# Altium PCB MainBoard_6_layers.PcbDoc (part 6 of 6) (continued)
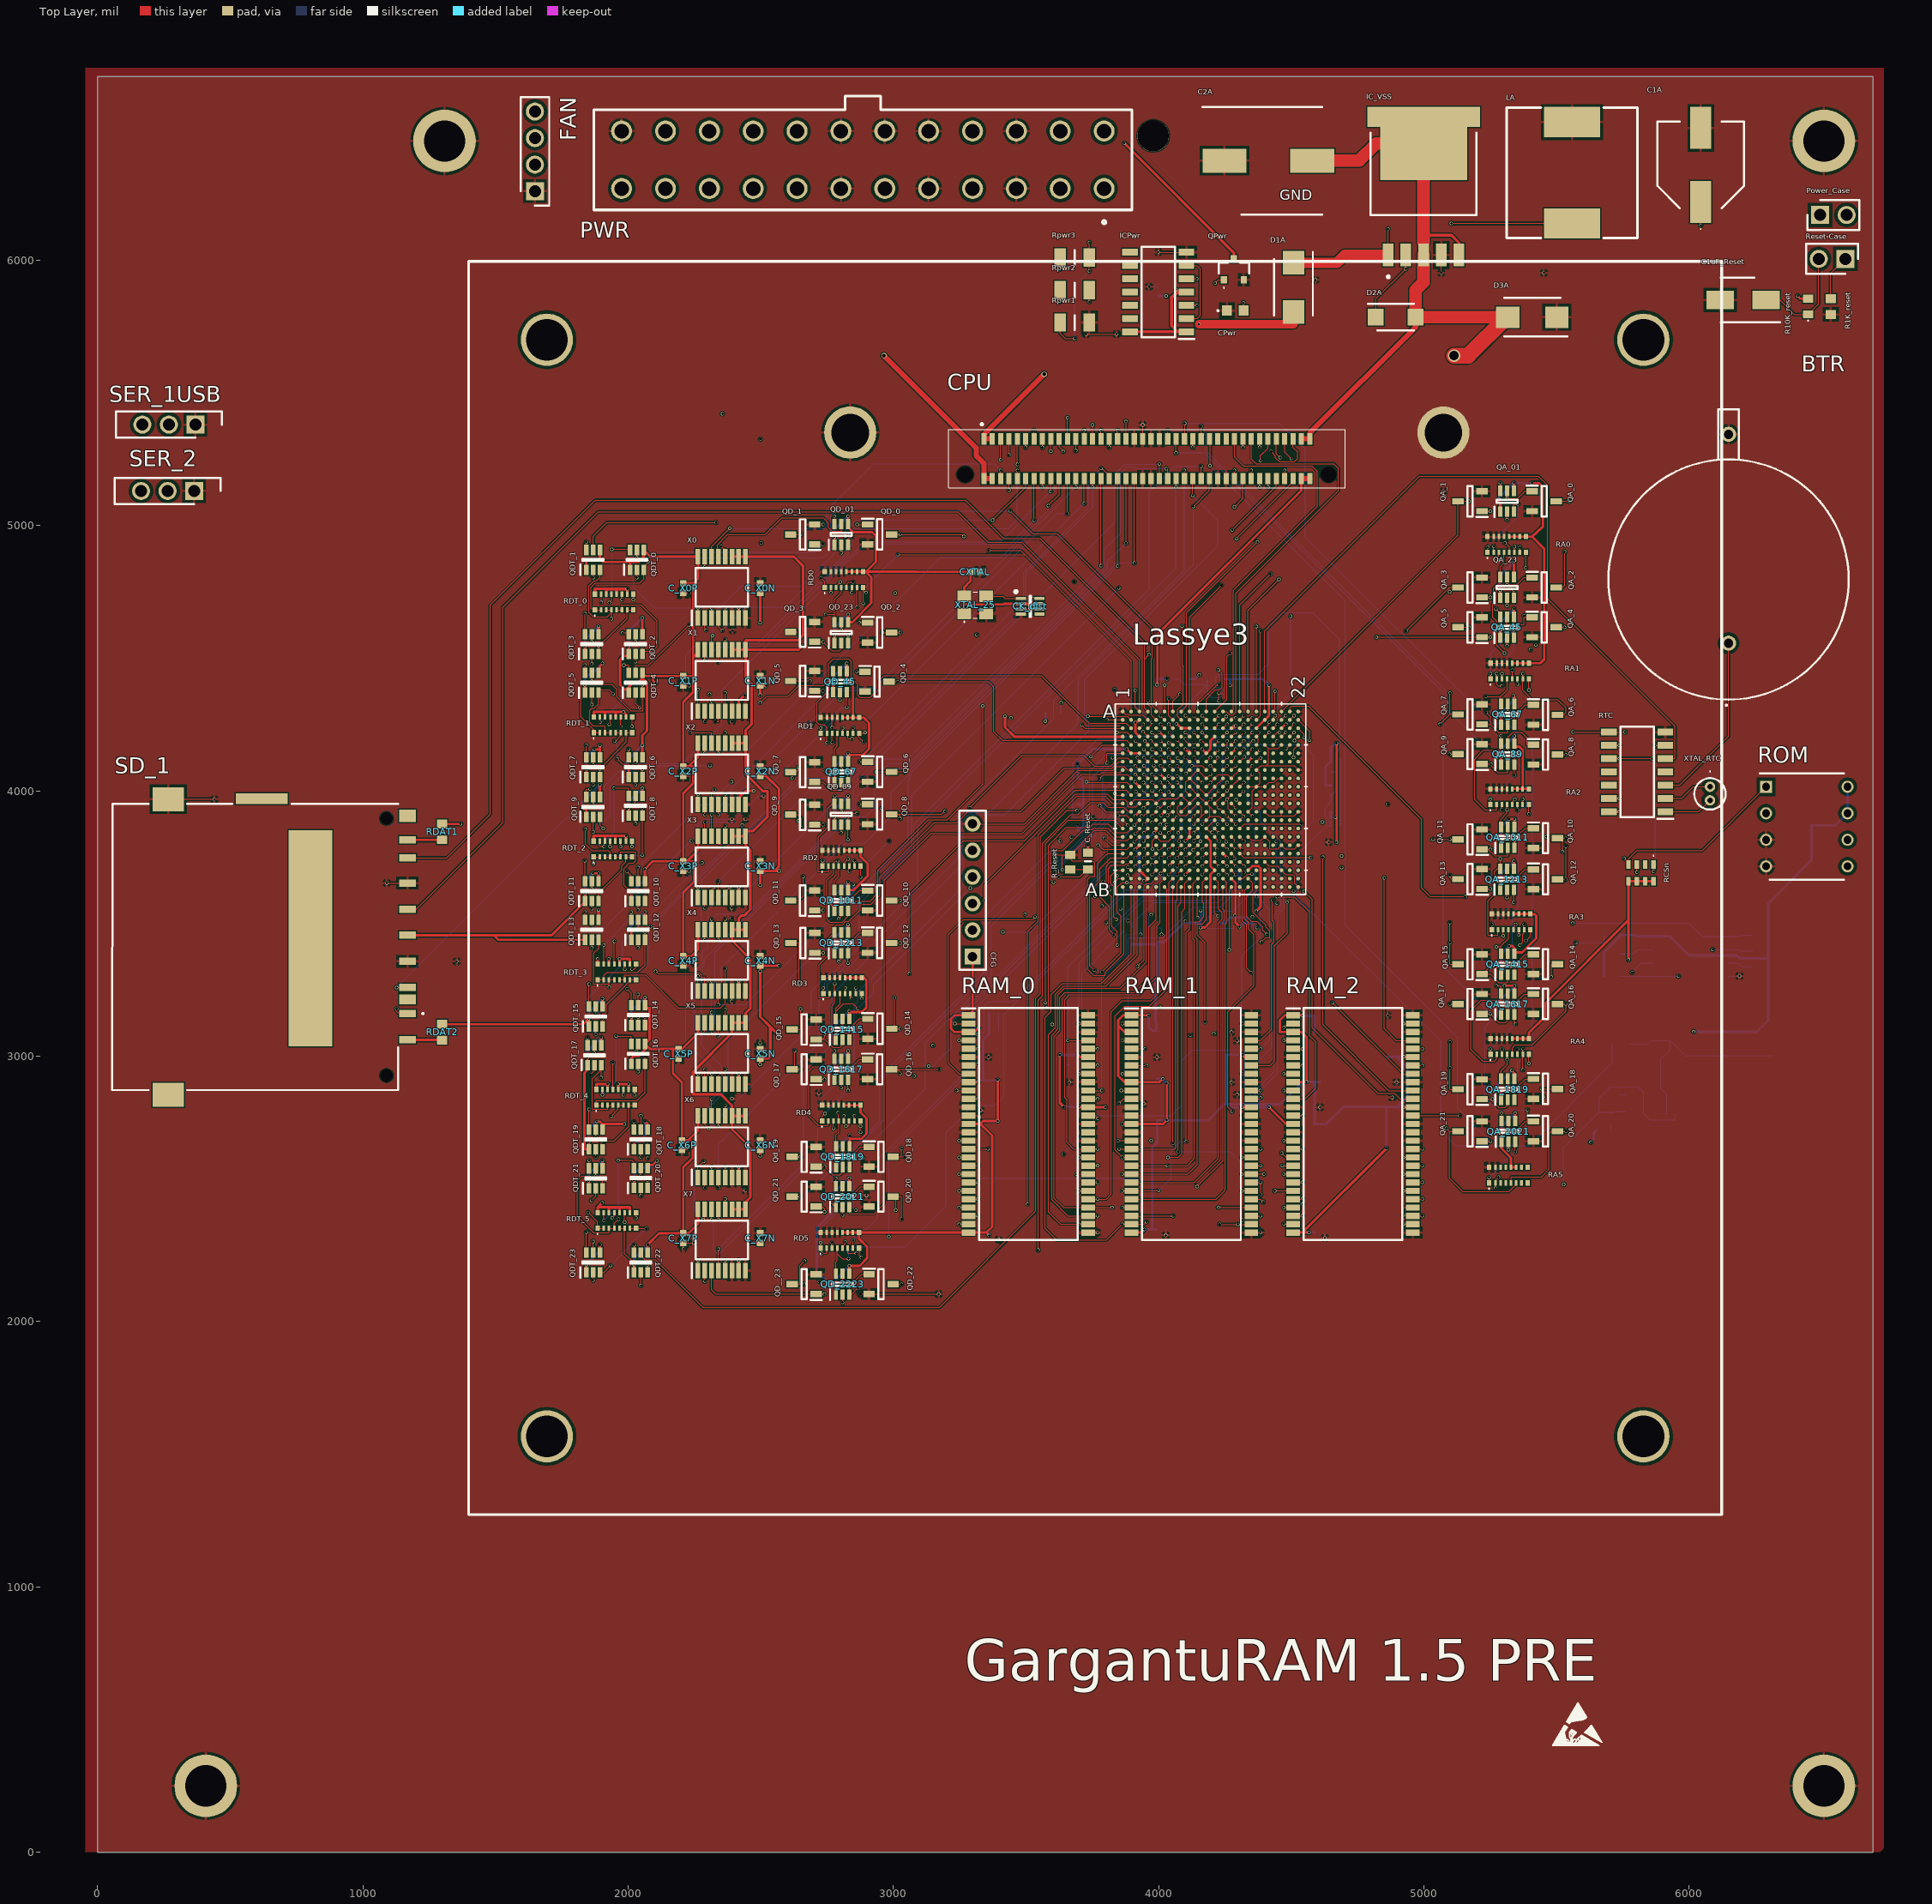
[diagram p0: Top Layer view]
## Nets (pads, with @x,y where several pads share a name; then routed paths per layer and width w, separated by ;. In a path a pad name is that pad's centre, name@x,y a point inside that pad or via, vN(x,y) a via of type N, cw(c..) or ccw(c..) an arc to the next point about the centre after c; other vN are vias at no path point) (continued)
  Top Layer w19.68: CPU.1@3341.38,5327.43 CPU.3@3372.88,5327.43 ; CPU.1@3341.38,5343.77 v3(3568.66,5571.05) ; CPU.78@4538.23,5177.83 CPU.80@4569.73,5177.83
  Layer 1 w9.02: v1(1841.91,2215) 1856.91,2230 2007.25,2230 v1(2022.32,2214.92) ; v1(1888.5,3689.73) 1911.39,3666.84 2024.62,3666.84 v1(2063.5,3705.73) ; v1(1888.51,4620.93) 1898.63,4631.05 2031.63,4631.05 v1(2053.5,4652.93) ; v1(1893.51,4172) v1(2053.5,4172) ; v1(1903.5,3216.99) 2058.5,3216.99 v1(2063.5,3221.99) ; v1(1985.73,2745.18) 1986.49,2745.18 1992.08,2739.59 2049.5,2739.59 v1(2063.91,2754) ; v1(3318.91,2902.48) 3381.91,2965.48 3381.91,3044.46 v1(3320.5,3105.87) ; v1(3393.66,2756.05) 3447.83,2810.23 v1(3641.55,2810.23) ; v1(3911.91,3906) 3926.91,3921 3995.91,3921 v1(4008.72,3908.2) ; v1(3992.91,4400) 4014.91,4422 4168.94,4422 ; v1@4028.69,5866.03 v1(6408.91,5866) ; v1(4031.03,4422.21) 4046.81,4438 v1(4152.94,4438) 4168.94,4422 ; v1(4157.91,3485) v1(4370.91,3485) ; v1(4158.13,3549.22) 4160.35,3547 v1(4367.91,3547) ; v1(4163.91,4158) 4178.91,4173 4274.91,4173 v1(4289.91,4158) ; v1(4258.91,3748) 4274.91,3764 4329.91,3764 ; v1(4269.91,4398) 4251.71,4416.21 ; v1(4313.91,3780) 4329.91,3764 ; v1(4689.91,3711) 4382.91,3711 4329.91,3764 ; v1(4689.91,3755) 4670.91,3736 4611.91,3736 4583.91,3764 4329.91,3764 ; 4168.94,4422 4245.91,4422 4251.71,4416.21 ; 4168.94,4422 4174.73,4416.21 4251.71,4416.21
  Layer 2 w9.02: v1(2053.5,4652.93) 2115.38,4591.05 2161.16,4591.05 ; v1(2073.91,2290) 2135.52,2290 2161.16,2264.36 2161.16,2290 2161.16,2322.59 2161.16,2333.11 2161.16,2520.59 2161.16,2666.59 2161.16,2796 2161.16,2841.41 2161.16,3063.43 2161.16,3103.01 2161.16,3147 2161.16,3379 2161.16,3619 2161.16,3735 2161.16,4093.11 2161.16,4376.05 ; v1(2103.66,4406.05) 2133.66,4376.05 2161.16,4376.05 ; 2161.16,4529.34 2161.16,4376.05 ; v1(3694.88,4102.03) 3734.4,4062.51 3884.4,4062.51 v1(3911.91,4035) 3912.22,4035 3925.8,4048.59 3991.63,4048.59 v1(4006.46,4063.42) ; v1(3799.92,2807.99) v1(3862.91,2745) ; v1(3943.91,3662) 3944.45,3661.47 3949.45,3661.47 v1(4100.91,3510) ; v1(3982.91,3843) 3998.69,3827.22 4085.17,3827.22 v1(4100.95,3811.45) ; v1(4269.91,4398) v1(4415.91,4398) 4452.91,4398 v1(4670.91,4180) 4650.91,4180 4563.91,4267 4494.91,4267 v1(4479.91,4252) ; v1(5330.91,2947) 5618.66,2659.25 ; v1(5407.08,5161) 5598.66,5161 5618.66,5141 ; v1(5450.91,2848) 5618.66,3015.75 ; 5618.66,2730 5618.66,3015.75 ; 5618.66,3243 5618.66,3366.05 ; 5618.66,4881.25 5618.66,4040.2 5618.66,3967 5618.66,3555.35 5618.66,3491 5618.66,3366.05 ; 5618.91,3016 5618.66,3015.75 ; 5618.91,4040.2 v1(5736.91,3922.2) ; v1(6016.91,3093) 6016.91,3118.86 v1(5771.42,3364.36) 5620.36,3364.36 5618.66,3366.05
  Layer 2 w59.06: PWR.23@1975.47,6271.05 2105.47,6141.05 ; 2161.16,2264.36 2161.16,2290 2161.16,2322.59 2161.16,2333.11 2161.16,2520.59 2161.16,2666.59 2161.16,2796 2161.16,2841.41 2161.16,3063.43 2161.16,3103.01 2161.16,3147 2161.16,3379 2161.16,3619 2161.16,3735 2161.16,4093.11 2161.16,4376.05 2161.16,4535 2161.16,4591.05 2161.16,4673 2161.16,4712.41 2161.16,4766 2161.16,5440 2161.16,6085.37 2105.47,6141.05 ; PWR.2@3794.37,6487.59 PWR.1@3794.37,6271.05 PWR.3@3629.02,6271.05 3499.02,6141.05 ; 5618.66,2659.25 5618.66,2730 5618.66,3015.75 5618.66,3243 5618.66,3366.05 5618.66,3491 5618.66,3555.35 5618.66,3967 5618.66,4040.2 5618.66,4881.25 5618.66,4928.25 5618.66,4969 5618.66,5141 5618.66,5377.99 5510.6,5486.05 5443.66,5486.05 5398.66,5486.05 5338.91,5486.05 5292.91,5486.05 4544.51,5486.05 4414.07,5486.05 4381.79,5486.05 3668.66,5486.05 3576.16,5578.55 3499.02,5655.7 3499.02,5975.6 3499.02,6109 3499.02,6141.05 ; 2105.47,6141.05 2191.91,6141.05 3499.02,6141.05
  Layer 3 w9.02: v1(1368.66,3876.05) 1424.61,3932 v1(1826.32,3932) ; v1(1836.91,3615.41) 1888.13,3564.19 1888.13,3551.59 v1(1888.66,3551.05) ; v1(1836.91,4546.41) 1869.4,4513.92 1870.79,4513.92 v1(1903.66,4481.05) ; v1(1841.91,4082.41) 1842.45,4081.88 1842.45,4074.06 v1(1893.5,4023) ; v1(1851.91,2679.41) 1903.5,2627.82 v1(1903.5,2606.99) ; v1(1851.91,3142.41) 1898.91,3095.41 v1(1898.91,3071) ; v1(1991.12,4089.81) 2020.89,4060.05 2024.28,4060.05 2053.51,4030.82 v1(2053.51,4011.16) ; v1(2012.32,3614.93) 2063.5,3563.75 v1(2063.5,3543.89) ; v1(2021.91,2679) 2051.41,2649.51 2065.21,2649.51 v1(2108.66,2606.05) ; v1(2761.91,3577) 2829.25,3509.66 v1(2829.25,3496) ; v1(2777.91,2941) 2777.91,2881 2833.91,2825 2833.91,2770 2843.66,2760.25 2843.66,2708.82 v1(2834.84,2700) ; v1(2777.91,3902) 2867.91,3812 2867.91,3722 2848.91,3703 v1(2848.91,3648) ; v1(2777.91,4062) 2777.91,4032.34 v1(2829.25,3981) ; v1(2777.91,4587) 2777.91,4527 v1(2823.91,4481) ; v1(2778.07,3417) 2807.07,3388 2847.91,3388 2895.91,3340 2895.91,3204 2887.91,3196 2859.66,3196 v1(2833.66,3170) ; v1(2782.91,3092) 2829.25,3045.66 v1(2829.25,3020) ; v1(2783.91,2612) 2833.91,2562 v1(2833.91,2540) ; v1(3572.91,4263) 3572.91,4224 v1(3694.88,4102.03) ; v1(3694.91,3874) 3694.91,3834.12 v1(3733.66,3795.37) ; PWR.1@3794.37,6271.05 3794.37,6099.54 4020.91,5873 ; v1(3911.91,4258.24) 3912.25,4258.58 3912.25,4319.33 v1(3992.91,4400) 4029.91,4363 4047.91,4363 4067.91,4343 v1(4067.91,4253) ; v1(3982.91,3843) 3990.91,3851 3990.91,3890.39 v1(4008.72,3908.2) ; 4020.96,5873 4027.91,5866.05 v1(4028.66,5866.05) ; v1(4040.95,3719.96) 4053.91,3707 4053.91,3616 4100.91,3569 ; v1(4100.91,3510) 4100.91,3569 ; v1(4100.91,3685) 4100.91,3569 ; v1(4269.91,4398) 4304.91,4363 4304.91,4260 v1(4289.91,4245) ; v1(4286.9,3531) 4257.37,3560.53 4109.39,3560.53 4100.91,3569 ; v1(4670.91,3807) 4766.91,3711 ; v1(4689.91,3711) 4733.91,3711 ; v1(4689.91,3755) 4733.91,3711 ; v1(5274.91,2866) 5288.02,2866 5344.25,2809.76 v1(5344.25,2786) ; v1(5282.91,5099) 5375.91,5006 5375.91,4900 v1(5339.25,4863.34) ; v1(5287.91,4607) 5328.91,4566 5328.91,4488 5318.91,4478 5318.91,4435.28 5336.91,4417.28 v1(5336.91,4358) ; v1(5287.91,4757.16) 5339.25,4705.82 v1(5339.25,4686) ; v1(5290.91,3336.67) 5303.91,3323.67 v1(5303.91,3266) ; v1(5290.91,3815) 5290.91,3784.34 v1(5339.25,3736) ; v1(5290.91,4129) 5290.91,3989 5337.91,3942 5337.91,3898 v1(5341.91,3894) ; v1(5290.91,4295) 5290.91,4259 v1(5341.91,4208) ; v1(5450.91,2848) 5351.91,2947 v1(5330.91,2947) 5330.88,2948.56 5330.5,2967.99 5327.75,3108.16 5290.91,3145 v1(5290.91,3187) 4766.91,3711 ; v1(4289.91,4245) 4304.91,4230 4304.91,4173 v1(4289.91,4158) 4274.91,4173 4274.91,4230 v1(4289.91,4245) ; 4733.91,3711 4766.91,3711
  Layer 4 w9.02: CFG.1@3298.66,3376.05 3344.97,3376.05 3442.91,3474 3442.91,3537 3536.91,3631 3609.8,3631 3733.66,3754.86 v1(3733.66,3795.37) ; v1(3992.91,4400) 3991.91,4399 3991.91,4231 v1(4001.91,4221) ; v1(4100.91,4158) 4115.91,4143 4148.91,4143 v1(4163.91,4158) ; v1(4289.91,4158) 4304.91,4143 4336.32,4143 v1(4352.91,4126.41) ; v1(4923.03,2807.99) 4981.04,2866 v1(5274.91,2866)
  Bottom Layer w9.02: v1(1826.32,3932) 1826.32,3955.82 v1(1893.5,4023) ; v1(1836.91,3615.41) 1836.91,3660 v1(1866.91,3690) ; v1(1836.91,4400) 1836.91,4423.51 1865.42,4452.01 1874.62,4452.01 v1(1903.66,4481.05) ; v1(1836.91,4546.41) 1836.91,4569.34 v1(1888.51,4620.93) ; v1(1841.91,2215) 1893.91,2267 v1(1893.91,2290) ; v1(1841.91,4082.41) 1841.91,4127 v1(1871.91,4157) ; v1(1846.91,2996) 1846.91,3019 v1(1898.91,3071) ; v1(1851.91,2532.41) 1851.91,2555.4 v1(1903.5,2606.99) ; v1(1851.91,2679.41) 1851.91,2724 v1(1881.91,2754) ; v1(1851.91,3142.41) 1851.91,3165.4 v1(1903.5,3216.99) ; v1(1991.12,4089.81) 1991.12,4109.62 v1(2053.5,4172) ; v1(2000.51,3480.9) v1(2063.5,3543.89) ; v1(2001.91,3936) 2001.91,3959.57 v1(2053.51,4011.16) ; v1(2001.91,4546.41) 2001.91,4601.34 v1(2053.5,4652.93) ; v1(2011.91,3147.41) 2011.91,3170.4 v1(2063.5,3221.99) ; v1(2012.32,3614.93) 2063.5,3666.11 v1(2063.5,3705.73) ; v1(2021.91,2533) 2021.91,2556.46 2046.44,2580.99 2083.6,2580.99 v1(2108.66,2606.05) ; v1(2022.32,2214.92) 2022.32,2238.41 v1(2073.91,2290) ; v1@2022.32,2679 2043.91,2679 2063.91,2699 v1(2063.91,2754) ; v1(2765.91,2440) 2765.91,2407.88 2710.91,2352.88 2710.91,2192 2771.91,2131 v1(2782.91,2131) 2782.91,2158.66 v1(2834.25,2210) ; v1(2766.91,2477.16) 2804.91,2515.15 v1(2833.91,2540) ; v1(2772.91,4402.16) 2772.91,4430 v1(2823.91,4481) ; v1(2777.91,2941) 2777.91,2968.66 v1(2829.25,3020) ; v1(2777.91,3902) 2777.91,3929.66 v1(2829.25,3981) ; v1(2777.91,4062) 2777.91,4089.66 v1(2829.25,4141) ; v1(2777.91,4587) 2777.91,4614.66 v1(2829.25,4666) ; v1(2777.91,4957.16) 2777.91,4985 v1(2828.58,5035.66) ; v1(2778.07,3417) 2778.07,3444.82 v1(2829.25,3496) ; v1(2782.91,3092) 2782.91,3119.25 v1(2833.66,3170) ; v1@2783.66,2612.22 2778.84,2617.05 2778.84,2644 v1(2834.84,2700) ; v1(2828.91,3656) 2761.91,3589 v1(2761.91,3577) 2806.74,3577 2848.91,3619.17 v1(2848.91,3648) ; v1(3318.91,2902.48) 3325.44,2909.01 3337.91,2909.01 ; v1(3360.55,2325) CR4.1@3360.55,2347.12 ; CR0.1@3360.55,3162.12 CR1.1@3360.55,3097.12 3360.55,3084 3337.91,3061.36 3337.91,2909.01 ; CR3.1@3363.66,2754.01 3390.86,2754.01 3392.91,2756.05 v1(3393.66,2756.05) ; v1(3393.66,2911.05) 3392.91,2911.05 3390.86,2909.01 CR2.1@3358.66,2909.01 3337.91,2909.01 ; v1(3572.91,4263) 3573.39,4263.47 R_CSI.2@3573.39,4292.39 ; v1(3626.91,3005.23) CR6.1@3663.66,3005.23 v1(3694.69,3005.23) ; v1(3641.55,2810.23) CR5.1@3663.66,2810.23 3663.66,2809 v1(3698.91,2809) ; v1(3694.91,3874) C_IO3.2@3694.88,3852.12 3702.03,3852.12 3715.7,3865.78 3715.7,3949.62 ; C_IO4.2@3694.88,3949.62 3715.7,3949.62 ; v1(3880.38,4158) 3750.85,4158 v1(3694.88,4102.03) C_IO5.2@3694.88,4047.12 3713.5,4047.12 3713.5,4020.68 3715.7,4018.48 3715.7,3949.62 ; Rk.8@3900.67,3422.2 Rk.7@3932.17,3422.2 Rk.6@3963.66,3422.2 Rk.5@3995.16,3422.2 ; v1(3943.91,3662) 3926.91,3679 3926.91,3765 v1(3911.91,3780) 3927.91,3796 3927.91,3818 3935.91,3826 3965.91,3826 v1(3982.91,3843) ; v1(3945.48,2347.12) 3975.91,2347.12 ; v1(3961.91,3154.45) 3961.91,3111.12 3975.91,3097.12 CR8.1@3990.55,3097.12 3990.55,3128 3988.66,3129.89 CR7.1@3988.66,3162.12 3988.66,3288 3995.16,3294.5 Rk.5@3995.16,3422.2 ; CR11.1@3990.55,2347.12 3975.91,2347.12 ; v1(3992.91,4400) C_IO6.2@3992.91,4422.21 v1(4031.03,4422.21) ; CR9.1@3993.66,2914.01 3993.66,2915 v1(4015.91,2915) ; CR9.1@3993.71,2915 v1@4015.87,2914.01 ; CICPwr.1@3998.66,5866.05 v1(4028.66,5866.05) ; v1@4015.91,2914.01 v1(4030.91,2899) ; C_IO7.2@4120.41,4422.21 4137.15,4422.21 v1(4152.94,4438) ; v1(4157.91,3485) 4157.91,3501 4157.69,3501.22 4151.91,3501.22 ; v1(4158.13,3549.22) 4161.33,3546.03 4161.33,3510.63 4151.91,3501.22 ; C_IO10.2@4233.81,3501.22 4247.18,3501.22 4268.96,3523 4286.9,3523 ; C_IO8.2@4247.91,4422.21 4269.7,4422.21 ; v1(4269.91,4398) 4269.91,4422 4269.7,4422.21 ; v1(4286.9,3531) 4286.9,3523 ; v1(4305.72,3488) 4318.94,3501.22 C_IO11.2@4332.91,3501.22 ; v1(4313.34,2807.41) 4273.66,2807.41 CR12.1@4273.66,2819.01 ; v1@4313.91,2808 v1(4416.91,2808) ; v1(4313.91,3005.9) CR13.1@4273.66,3005.9 4252.91,3005.9 4252.91,2819.01 ; v1@4370.33,3485.59 4354.69,3501.22 C_IO11.2@4332.91,3501.22 ; v1(4415.91,4398) 4391.7,4422.21 4269.7,4422.21 ; v1(4542.91,3154) 4544.8,3152.12 CR14.1@4585.55,3152.12 4585.55,3119.89 4587.44,3118 CR15.1@4587.44,3087.12 ; v1(4566.91,2335.55) 4568.48,2337.12 CR18.1@4590.55,2337.12 ; CR16.1@4608.66,2904.01 4595.92,2904.01 ; C_IO2.2@4649.8,3922 4649.8,3900 v1(4665.91,3900) ; C_IO1.2@4649.8,4021 4628.91,4021 4628.91,4091.11 4649.8,4112 C_IO0.2@4649.8,4125 4649.8,4164.89 4659,4171.48 v1(4670.91,4180) ; v1(4858.66,2652.2) CR19.1@4858.66,2809.01 ; CR20.1@4863.66,2999.01 4895.91,2999.01 ; v1(4923.03,2807.99) 4922.01,2809.01 4898.92,2809.01 ; v1(4923.91,2999.01) 4895.91,2999.01 ; v1(5274.91,2866) 5274.91,2891 v1(5330.91,2947) ; v1(5282.91,5099) 5283.45,5099.53 5283.45,5105.53 v1(5338.91,5161) v1(5407.08,5161) ; v1(5287.91,3657) 5287.91,3684.66 v1(5339.25,3736) ; v1(5287.91,4607) 5287.91,4634.66 v1(5339.25,4686) ; v1(5287.91,4757.16) 5287.91,4812 v1(5339.25,4863.34) ; v1(5290.91,3187) 5290.91,3215 v1(5341.91,3266) ; v1@5290.91,3337 5290.91,3386 v1(5320.91,3416) ; v1(5290.91,3815) 5290.91,3864 v1(5320.91,3894) ; v1(5290.91,4129) 5290.91,4157 v1(5341.91,4208) ; v1(5290.91,4295) 5336.91,4341 v1(5336.91,4358) ; v1(5292.91,2707.16) 5292.91,2734.66 v1(5344.25,2786) ; v1(5628.66,2676.05) 5628.66,2676.81 5640.25,2688.4 5640.25,2711.35 C_ROM.2@5651.1,2722.2 ; R_MOSI.2@5679.21,3302.2 R_Hold.2@5679.21,3387.2 5679.21,3392 5738.19,3450.98 R_CDONE.1@5738.19,3457.12 5797.91,3457.12 5802.83,3452.2 EROM.8@5863.66,3452.2 5927.72,3452.2 5999.91,3380 6178.91,3380 6189.91,3369 6297.8,3369 ; v1(6016.91,3093) 6017.17,3092.75 IC_1V2.3@6059.65,3092.75 6255.02,3092.75 6298.27,3136 R_WP.2@6298.27,3337.2 6298.27,3366 6297.8,3366.47 6297.8,3369 ; ROM.8@6597.4,4016.05 ROM.7@6597.4,3916.05 6552.4,3871.05 CRom.1@6461.77,3871.05 6461.77,3739.86 6298.27,3576.36 R_CS.2@6298.27,3457.2 6298.27,3426.47 6297.8,3426 R_MISO.2@6297.8,3397.2 6297.8,3369 ; 3975.91,2347.12 3975.91,2656.25 3993.66,2674 CR10.1@3993.66,2759.01 v1(4030.91,2759.01) 4186.5,2759.01 4246.5,2819.01 4252.91,2819.01 ; Rk.5@3995.16,3422.2 3995.16,3430 4020.91,3430 v1(4100.91,3510) 4101.67,3510 4108.99,3502.68 4133.25,3502.68 C_IO9.2@4134.72,3501.22 4151.91,3501.22 ; 4252.91,2819.01 CR12.1@4273.66,2819.01 ; CR12.1@4273.66,2819.01 4458.92,2819.01 4543.92,2904.01 v1(4557.91,2904.01) 4595.92,2904.01 ; 4286.9,3523 4332.91,3523 C_IO11.2@4332.91,3501.22 ; 4595.92,2904.01 4587.91,2896 4587.91,2744.01 CR17.1@4608.66,2744.01 4630.91,2744.01 4695.91,2809.01 CR19.1@4858.66,2809.01 ; CR19.1@4858.66,2809.01 4898.92,2809.01 ; 4895.91,2999.01 4937.91,2957.01 4937.91,2848 4898.92,2809.01
VSS: C2A.2 C_X0N.2 C_X1N.2 C_X2N.2 C_X3N.2 C_X4N.2 C_X5N.2 C_X6N.2 C_X7N.2 CPU.2 CPU.4 CPU.77 CPU.79 D2A.2 D3A.2 IC_VSS.3 IC_VSS.5 IC_VSS.6 RDT_0.10 RDT_0.12 RDT_0.14 RDT_0.16 RDT_1.10 RDT_1.12 RDT_1.14 RDT_1.16 RDT_2.10 RDT_2.12 RDT_2.14 RDT_2.16 RDT_3.10 RDT_3.12 RDT_3.14 RDT_3.16 RDT_4.10 RDT_4.12 RDT_4.14 RDT_4.16 RDT_5.10 RDT_5.12 RDT_5.14 RDT_5.16 X0.7 X1.7 X2.7 X3.7 X4.7 X5.7 X6.7 X7.7 | length 17248.1
  Top Layer w10: RDT_2.16@1869.76,3810.89 1869.76,3830.58 1912.6,3830.58 ; RDT_1.16@1870.55,4279 1870.55,4297.87 1912.51,4297.87 ; RDT_0.16@1874.76,4742.1 1874.76,4761.85 1917.76,4761.85 1918.04,4761.58 1957.19,4761.58 ; RDT_4.16@1880.08,2875.06 1880.08,2895 v1(1922.91,2895) RDT_4.14@1922.91,2875.06 ; v1(1884.91,3368) 1885.08,3367.83 RDT_3.16@1885.08,3347.79 ; RDT_5.16@1885.08,2410.9 1885.08,2431 ; v1(1901.91,2448) 1885.08,2431.17 1885.08,2431 ; RDT_2.14@1912.6,3810.89 1912.6,3830.58 ; RDT_0.14@1917.6,4742.1 1917.6,4761.68 ; RDT_5.14@1927.91,2410.9 1927.91,2431 ; RDT_3.14@1927.91,3347.79 v1(1927.91,3368) ; RDT_2.12@1951.97,3810.89 1951.97,3830.58 ; RDT_1.12@1952.76,4279 1952.76,4298.74 ; RDT_0.12@1956.97,4742.1 1956.97,4761.36 1957.19,4761.58 ; v1(1961.91,2895) v1@1962.28,2894.63 ; RDT_4.12@1962.28,2875.06 v1@1962.28,2894.63 ; RDT_5.12@1967.29,2410.9 1967.29,2430.64 ; RDT_3.12@1967.28,3347.79 v1(1967.28,3367.54) 2006.66,3367.54 RDT_3.10@2006.66,3347.79 ; v1(1982.91,4299) 1952.76,4299 1952.76,4298.74 ; v1@1983.91,4298.74 1992.13,4290.53 RDT_1.10@1992.13,4279 ; RDT_2.10@1991.34,3810.89 v1(1991.34,3830.58) 1951.97,3830.58 ; RDT_0.10@1996.34,4742.1 v1(1996.34,4761.58) 1957.19,4761.58 ; RDT_4.10@2001.66,2875.06 2001.73,2875.14 2001.73,2894.82 v1(2001.91,2895) 1962.28,2895 v1@1962.28,2894.63 ; RDT_5.10@2006.66,2410.9 2006.66,2430.64 1967.29,2430.64 ; X7.7@2416.89,2192.19 v1(2416.91,2231) ; X6.7@2416.89,2543.62 v1(2416.89,2583) ; X5.7@2416.89,2895.05 v1(2416.89,2933.99) ; X4.7@2416.89,3246.48 v1(2416.91,3285) ; X3.7@2416.89,3597.91 v1(2416.89,3636.98) ; X2.7@2416.89,3949.34 2416.89,3974.28 2424.62,3982.01 2424.62,3982.1 2429.89,3987.37 2429.98,3987.37 2443.66,4001.05 v1(2473.66,4001.05) ; X1.7@2416.89,4300.77 2416.89,4339.98 v1(2438.91,4362) ; X0.7@2416.89,4652.19 v1(2416.91,4691) ; v1(2459.91,2296.89) C_X7N.2@2497.91,2296.89 ; v1(2497.91,2624.78) C_X6N.2@2497.91,2646.89 ; v1(2497.91,2969.78) C_X5N.2@2497.91,2991.89 2529.04,2991.89 2535.91,2998.77 2535.91,3111 ; v1(2497.91,3645) C_X3N.2@2497.91,3698.78 2551.69,3698.78 ; C_X2N.2@2497.91,4056.89 2519.91,4056.89 2568.91,4007.89 2568.91,3716 2551.69,3698.78 ; v1(2497.91,4362) C_X1N.2@2497.91,4396.89 v1(2519.91,4396.89) ; v1(2497.91,4634) C_X0N.2@2497.91,4746.89 ; v1(2568.66,3341.89) C_X4N.2@2497.91,3341.89 v1(2497.91,3319.89) 2497.91,3149 2535.91,3111 ; v1(2568.91,3078) 2535.91,3111 ; v1(2568.91,3698.78) 2551.69,3698.78 ; CPU.79@4569.73,5327.43 4569.73,5349.36 ; IC_VSS.3@4998.66,6020.58 4998.66,6069.75 5023.91,6095 5103.91,6095 5132.52,6066.39 IC_VSS.5@5132.52,6020.58 ; 1885.08,2431 1927.91,2431 ; 1912.51,4297.87 1913.39,4298.74 ; 1912.51,4297.87 RDT_1.14@1913.39,4279 1913.39,4298.74 ; 1912.6,3830.58 1951.97,3830.58 ; 1913.39,4298.74 1952.76,4298.74 ; 1927.91,2431 1928.27,2430.64 1967.29,2430.64
  Top Layer w19.68: v3(2964.38,5641) 3311.91,5293.47 3311.91,5264.47 3341.38,5235 CPU.2@3341.38,5177.83 CPU.4@3372.88,5177.83 ; CPU.77@4538.23,5327.43 CPU.79@4569.73,5327.43 ; 4569.73,5349.36 4968.47,5748.1 D2A.2@4968.47,5786.05
  Top Layer w39.37: D3A.2@5312.2,5786.05 D3A.2@5316.14,5786.05
  Top Layer w47.24: C2A.2@4579.02,6376.05 4755.91,6376.05 4820.72,6440.86 IC_VSS.6@4998.66,6440.86 4998.66,6069.75 ; IC_VSS.3@4998.66,6020.58 4998.66,5918.2 4968.47,5888 D2A.2@4968.47,5786.05 D3A.2@5312.2,5786.05
  Top Layer w59.06: v4(5113.66,5641.05) 5167.2,5641.05 D3A.2@5312.2,5786.05
  Layer 1 w10: v1(1884.91,3368) v1(1927.91,3368) ; v1(1922.91,2895) v1(1961.91,2895) ; v1@1927.91,3367.54 v1(1967.28,3367.54) 2377.37,3367.54 2416.91,3328 v1(2416.91,3285) ; v1(1982.91,4299) 2375.91,4299 v1(2438.91,4362) ; v1(1996.34,4761.58) 1996.76,4762 2369.91,4762 2416.91,4715 ; v1(2001.91,2895) 2423.14,2895 v1(2497.91,2969.78) ; v1(2416.91,4691) 2416.91,4715 ; v1(2473.66,4001.05) 2561.57,4001.05 2568.66,4008.14 ; v1(2497.91,2624.78) 2542.03,2624.78 2568.66,2598.14 ; v1@2568.66,3078 v1(2568.66,3341.89) ; 2568.66,4396.89 v1(2519.91,4396.89) 2519.91,4612 v1(2497.91,4634) 2416.91,4715 ; 2568.66,5245.53 2568.66,5245.28 2416.91,5093.53 2416.91,4715
  Layer 1 w39.37: 2888.66,5641.05 v3@2964.38,5641.05
  Layer 1 w59.06: 2568.66,2598.14 2568.66,2646.89 2568.66,2943.14 2568.66,3078 v1(2568.66,3341.89) 2568.66,3698.78 2568.66,4008.14 2568.66,4056.89 2568.66,4204.25 2568.66,4396.89 2568.66,5216.42 2568.66,5245.53 2568.66,5321.05 2568.66,5570.89 2568.66,5641.05 2609.91,5641.05 2888.66,5641.05 2964.38,5641.05 3122.91,5641.05 3393.91,5641.05 4870.91,5641.05 v4(5113.66,5641.05)
  Layer 2 w10: v1(1982.91,4299) 2068.91,4213 2068.91,3974 1990.91,3896 v1@1990.91,3831
  Layer 3 w10: v1(2416.89,2583) 2459.91,2539.98 v1(2459.91,2296.89) ; v1(2438.91,4362) v1(2497.91,4362)
  Layer 4 w10: v1(1901.91,2448) 1938.91,2485 2034.91,2485 2059.91,2510 2098.91,2510 2137.91,2549 2382.94,2549 v1(2416.89,2583) 2456.14,2583 v1(2497.91,2624.78) ; v1(2416.91,2231) 2416.91,2253.89 v1(2459.91,2296.89) ; v1(2416.89,2933.99) 2462.13,2933.99 v1(2497.91,2969.78) ; v1(2416.91,3285) 2463.02,3285 v1(2497.91,3319.89) ; v1(2416.89,3636.98) 2489.89,3636.98 v1(2497.91,3645) ; v1(2438.91,4362) v1(2497.91,4362)
Wait: CPU.65 Lassye3.A13 | length 1554.4
  Top Layer w4: Lassye3.A13@4242.68,4299.64 4255.79,4299.64 4268.79,4286.64 4279.56,4286.64 4290.91,4297.99 4290.91,4746 4676.91,5132 4676.91,5216 4659.91,5233 4367.91,5233 4349.25,5251.66 CPU.65@4349.25,5327.43
WEn: Lassye3.AA9 RAM_0.16 RAM_1.16 RAM_2.16 | length 2566.5
  Top Layer w4: v1(3247.92,2682.01) RAM_0.16@3283.15,2682.01 ; v1(3846.75,2682.01) RAM_1.16@3898.15,2682.01 ; v1(4034.91,2619) 4073.91,2619 4086.91,2632 4086.91,3545 4098.91,3557 4098.91,3651.94 Lassye3.AA9@4116.69,3669.72 ; v1(4471.93,2682.01) RAM_2.16@4507.4,2682.01
  Layer 1 w4: v1(3971.91,2682.01) 4001.31,2652.6 ; v1(4034.91,2619) 4001.31,2652.6 ; v1(4471.93,2682.01) 4392.92,2603 4161.91,2603 4112.31,2652.6 4001.31,2652.6
  Layer 2 w4: v1(3247.92,2682.01) v1(3846.75,2682.01) v1(3971.91,2682.01)
pads on no net: CK_dist.7 CPU.57 CPU.59 CPU.81 CPU.82 FAN.3 FAN.4 IC_VSS.7 IC_VSS.8 ICPwr.8 ICPwr.9 ICPwr.10 ICPwr.11 ICPwr.12 ICPwr.13 Lassye3.AA3 Lassye3.AA17 Lassye3.AA18 Lassye3.AA19 Lassye3.AA20 Lassye3.AA21 Lassye3.AA22 Lassye3.AB18 Lassye3.AB19 Lassye3.AB20 Lassye3.AB21 Lassye3.C5 Lassye3.C10 Lassye3.D8 Lassye3.F18 Lassye3.F19 Lassye3.F20 Lassye3.F21 Lassye3.G18 Lassye3.G19 Lassye3.G20 Lassye3.G21 Lassye3.G22 Lassye3.H18 Lassye3.H19 Lassye3.H20 Lassye3.H21 Lassye3.J17 Lassye3.J18 Lassye3.J19 Lassye3.J21 Lassye3.J22 Lassye3.K19 Lassye3.K20 Lassye3.K21 Lassye3.K22 Lassye3.L16 Lassye3.L17 Lassye3.L18 Lassye3.L19 Lassye3.L20 Lassye3.L21 Lassye3.L22 Lassye3.M16 Lassye3.M17 Lassye3.M18 Lassye3.M19 Lassye3.M20 Lassye3.M21 Lassye3.M22 Lassye3.N17 Lassye3.N19 Lassye3.N21 Lassye3.P16 Lassye3.P17 Lassye3.P18 Lassye3.P19 Lassye3.P20 Lassye3.P21 Lassye3.P22 Lassye3.R13 Lassye3.R14 Lassye3.R16 Lassye3.R17 Lassye3.R18 Lassye3.R19 Lassye3.R20 Lassye3.R21 Lassye3.R22 Lassye3.T17 Lassye3.T19 Lassye3.T20 Lassye3.T21 Lassye3.T22 Lassye3.U5 Lassye3.U16 Lassye3.U17 Lassye3.U18 Lassye3.U19 Lassye3.U21 Lassye3.V16 Lassye3.V17 Lassye3.V18 Lassye3.V19 Lassye3.V20 Lassye3.V21 Lassye3.V22 Lassye3.W6 Lassye3.W16 Lassye3.W17 Lassye3.W19 Lassye3.W20 Lassye3.W21 Lassye3.W22 Lassye3.Y4 Lassye3.Y10 Lassye3.Y17 Lassye3.Y18 Lassye3.Y19 Lassye3.Y21 Lassye3.Y22 PWR.15 PWR.16 PWR.25 RA5.3 RA5.4 RA5.7 RA5.8 RA5.9 RA5.10 RA5.13 RA5.14 RAM_0.40 RAM_1.40 RAM_2.40 RTC.4 RTC.11 RTC.12 SD_1.CD1 SD_1.CD2 SD_1.MH1 SD_1.MH2 SD_1.MP1 SD_1.MP2 SD_1.WP1 XTAL_25.1

## Polygon pours and split planes (outlines as drawn)
GND on Top Layer "GND_L01_P000" (solid, pour order 0): -46.34,6726.05 6733.66,6726.05 6733.66,16.05 6718.66,1.05 -51.34,1.05 -46.34,6.05
GND on Bottom Layer "GND_L06_P001" (solid, pour order 1): 6773.66,6781.05 -96.34,6781.05 -96.34,11.05 -86.34,1.05 6753.66,1.05 6753.66,6761.05

## Silkscreen, mask and mechanical layers (free items; w line width, h text height)
Top Overlay:
  drawing of 2057 lines, arcs and shapes, not listed
  text "GND" at 4455.63,6228.02 h39.37
  text "GargantuRAM 1.5 PRE" at 3268.66,646.05 h157.48
Mechanical 1:
  the board outline again, w10

## Text inside footprints (layer, text, board x,y; h text height)
Lassye3: Top Overlay "A" at 3790.93,4274.64 h50; Top Overlay "AB" at 3723.66,3602.2 h50; Top Overlay "1" at 3889.72,4348.43 h50 r90; Top Overlay "22" at 4551.14,4348.43 h50 r90; Bottom Overlay "A" at 3815.93,4274.64 h50; Bottom Overlay "AB" at 3815.93,3613.22 h50; Bottom Overlay "1" at 3839.72,4348.43 h50 r270; Bottom Overlay "22" at 4501.14,4348.43 h50 r270; Mechanical 13 "A" at 3790.93,4274.64 h50; Mechanical 13 "AB" at 3723.66,3602.2 h50; Mechanical 13 "1" at 3889.72,4348.43 h50 r90; Mechanical 13 "22" at 4551.14,4348.43 h50 r90